# Altium PCB PCB.PcbDoc (part 1 of 2) (continued)
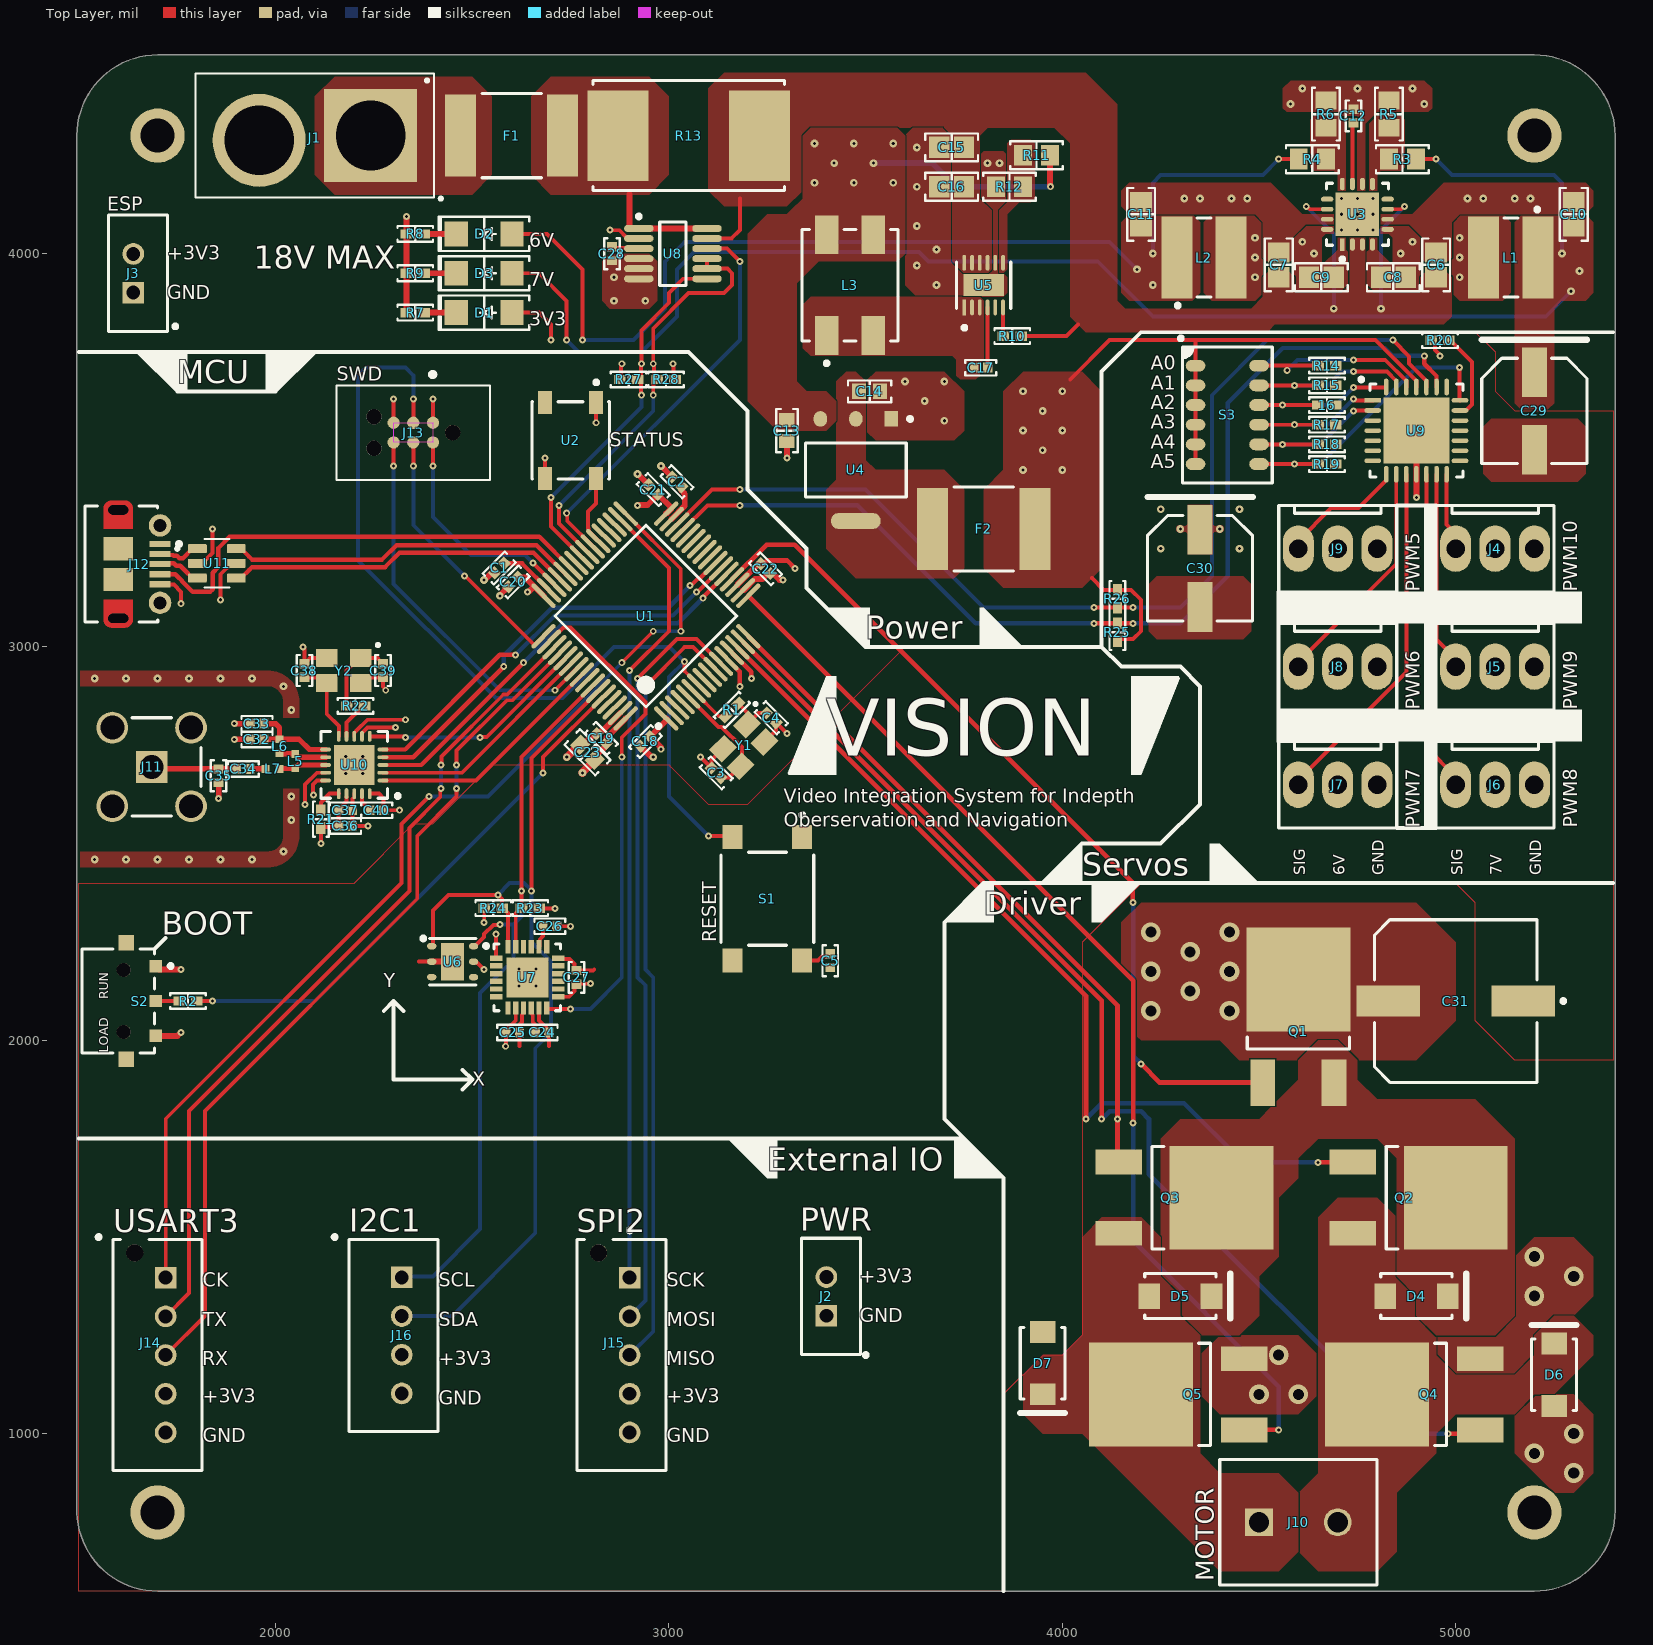
[diagram p0: Top Layer view]
## Part data (continued)
D1 D2 D3: library part 5990240007F, "LED YELLOW 1206 SMD", Current - Test=20mA, Device Package="1206 (3216 Metric)", Lens Color=0.80mm, manufacturer=Dialight, Millicandela Rating=126mcd, Supplier Device Package=1206, Supplier Part Number 1=350-4363-1-ND, Voltage - Forward (Vf) (Typ)=2.1V, Color=Yellow, componentlink1description=Datasheet, componentlink1url=http://www.dialightsignalsandcomponents.com/Assets/Brochures_And_Catalogs/Indication/CBI_SMD_new/Dialight_CBI_data_599-1206_Apr2018.pdf, componentlink2description="DigiKey Link", componentlink2url=https://www.digikey.com/en/products/detail/dialight/5990240007F/9385418, Configuration=Standard, Height (Max)=0.80mm, lastupdated="27/01/2024 9:27:52 PM", Lens Size="2.00mm x 1.60mm", Lens Style="Rectangle with Flat Top", Lifecycle Status=Active, Minimum Order=1, Mounting Type="Surface Mount", Package / Case="1206 (3216 Metric)", packaging=TapeAndReel, Part Number=5990240007F, Part Status=Active, partid=1, price=0.04, series=599, Size / Dimension="3.20mm L x 1.60mm W", Supplier 1=DigiKey, Viewing Angle=140°, Wavelength - Dominant=590nm
D4 D5 D6 D7: library part CMP-2000-07175-1, "Power Schottky Rectifier, 2 A, 100 V, 2-Pin SMD (SMA), RoHS, Tape and Reel", Capacitance @ Vr, F=-, Current - Average Rectified (Io)=2A, Current - Reverse Leakage @ Vr=1µA@100V, manufacturer=STMicroelectronics, Operating Temperature - Junction=175°C(Max), Package / Case=DO-214AC,SMA, Package Description="2-Pin Surface Mount Device, Body 4.275 x 2.575 mm", Package Reference=SMA, Standard Package=1, Supplier Device Package=SMA(DO-214AC), Voltage - DC Reverse (Vr) (Max)=100V, Voltage - Forward (Vf) (Max) @ If=790mV@2A, Category=DiscreteSemiconductorProducts, Datasheet URL=http://www.st.com/content/ccc/resource/technical/document/datasheet/0a/8b/df/ef/15/72/4f/38/CD00001548.pdf/files/CD00001548.pdf/jcr:content/translations/en.CD00001548.pdf, Datasheet Version=06/2013, Diode Type=Schottky, Family=Diodes,Rectifiers-Single, Manufacturer URL=http://www.st.com/, Mounting Technology=SurfaceMount, Mounting Type=SurfaceMount, Online Catalog=SchottkyDiode, Other Names=497-3758-6, Other Related Documents=STPS2H100ViewAllSpecifications, Package URL=http://www.st.com/st-web-ui/static/active/en/resource/technical/document/datasheet/CD00283518.pdf, packaging=Digi-Reel®, Reverse Recovery Time (trr)=-, series=-, Speed=FastRecovery=200mA(Io)
F1 F2: library part CMP-2000-05550-2, "PTC RESET FUSE 15V 3A 2920", Ambient Temperature Range High=+85°C, Ambient Temperature Range Low=-40°C, Current Rating=40A, Hold Current=3A, manufacturer=Littelfuse, Manufacturer Part Number=2920L300/15DR, Package=2920L, Resistance=0.015-0.048Ω, Temperature="-40°C to +85°C", Trip Current=5A, Voltage Rating=15V, Automotive=No, Category=Fuse, componentlink2description=Datasheet, componentlink2url=https://m.littelfuse.com/~/media/electronics/datasheets/resettable_ptcs/littelfuse_ptc_2920l_datasheet.pdf.pdf, Device Class L1="Circuit Protection", Device Class L2="PTC Resettable Fuses", Device Class L3=unset, Digikey Description="PTC RESET FUSE 15V 3A 2920", Height=1.25mm, Lead Free=Yes, Octopart=https://octopart.com/2920l300%2F15dr-littelfuse-673797, RoHS=TRUE, Temperature Range High=+85°C, Temperature Range Low=-40°C, Trip Time=20s
J1: library part XT60_YELLOW, "Power connector; 65A; PIN: 2; Colour: yellow", Package=None, Availability="Not in stock", Check_prices=https://www.snapeda.com/parts/XT60%20YELLOW/Pololu/view-part/?ref=eda, MF=Pololu, MP="XT60 YELLOW", price=None, SnapEDA_Link=https://www.snapeda.com/parts/XT60%20YELLOW/Pololu/view-part/?ref=snap
J2 J3: library part CMP-17439-000026-1, "CONN HEADER VERT 2POS 2.5MM", Color=Natural, Contact Resistance=20mR, Current Rating=3A, Housing Color=White, Max Operating Temperature=85°C, Max Voltage Rating (AC)=250V, Min Operating Temperature=-25°C, Connector Type=Plug, Contact Material="Copper Alloy", Contact Mating Length=0.13inch, Contact Plating=Tin, Contact Type="Male Pin", Depth=3.8mm, Fastening Type=Detent, Gender=Male, Housing Material=Nylon, Lead Free="Lead Free", Length=7.5mm, Max Current Rating=3A, Mount="Through Hole", Number of Contacts=2, Number of Positions=2, Number of Rows=1, Orientation=Straight, packaging=Bulk, Pitch=2.5mm, series=EH, Termination=Press-Fit, Voltage Rating=250V
J4 J5 J6 J7 J8 J9: "CONN HEADER VERT 3POS 2.54MM", Part Number=0022272031
J10: library part CMP-2000-05815-1, "PCB Terminal Block, 13.5 A, 400 V, 2-Pin THD, RoHS, Bulk", Current Rating=13500mA, manufacturer="Phoenix Contact", Package Description="2-Pin Through Hole Device, Body 8.1 x 10.16 mm, Pitch 5.08 mm", Package Reference=1729128-2, Package Version=03/2015, Voltage Rating=400V, Datasheet URL=https://datasheet.ciiva.com/16046/1729128-16046181.pdf, Datasheet Version=12/2013, Manufacturer URL=http://www.phoenixcontact.com/, Mounting Technology=ThroughHole, No. of Positions=2, No. of Rows=1, Orientation=Horizontal, Package URL=https://www.phoenixcontact.com/online/portal/pi/pxc/product_detail_page/!ut/p/b1/3VdJjqNKFDxLH8AFycySyWY2ozFsEPOMMQaDOX1XedGL_1Vdm5YXJleknhSKeBkvI6EA8ncAo3AYoDhBQGco6KN7VURTdemj9us_IEKEZo_YHiPAEWEFmDGOHMORkqKYCORBZxgL7ZoaZYcbFFUZ3fqxSY6GOuxydWUuHqz1ynmMFygu583Bob0Ewr6Sd_l-5m-kAueHiB0jpRwZwe58wwtkpxtMYd_LmGcDRU02dRNEyWt6Y2ti5pSyJ_reIkzIulrqApdnbT11V5jnCKbYNCvhEM1MCpPByat_X379-iThf08CI5GfOPqfBeS3BRoBOdD55AKVv0iLwCMq-2BrzXWSGRH7pUGD9uwXQjiph3xL0DKQwdGa0JImiIOmBNOestqgwTHSSs2oOep-78apyXQBvNi8ZLaFjvjWvcaUEBu0MC6Wbe-d6mB0FAebo2lUWinqYaZs5DAYzV0RP9yitUjnGJ0iI9xhZkT42OCQNUJJhkgWINNQLP2JFP6OpMg3JCVg70jqHT0lvKOnhHf0lPuOnnLf0VPuWx6_dxwUIvwk5WMkT0kLL1mh61l2yZVSzG3pYV_bqo-mj6uMKwKwdnnW8Jh5RTOJzMOA5c-eJDaZQw4mTMPH02PvS_ZAqNVjVTo2WyYLkwH_KU1mmmG5kjRhDqPXLwwVHvVOjCM60-fpXvTDfMGW1PVFVS1r4e4yVDk4ZdNbkUHvqPqQSeian4UD39fNKmachqdJ1NJbyk8rXT9mXTvPk3oE5meulKGgiruPJek-4I9hTT6G8ZLOyRSm2RRVbThERQad5OS28hdt4YW4vG0stgYYzsWsK4_7y6DZMjJSCqri1kyiZR5vD7pwIrNR7QwPHTcLTI5qT7eRlpHrdGiupYlqQDJ7zy_CND8fWWBoLRXxk1RVcXiBQwbTD4Xi7KL-FuO94t9xaqweXzH, Packing=Bulk, PartNumber=1729128, Pitch=5.08mm, RoHS=TRUE
J11: library part CMP-2000-05487-1, "SMA Right-Angle PCB Jack Receptacle, Brass Body, Gold Plated, 50 Ohm, 5-Pin THD, RoHS, Tray", manufacturer=Molex, Package Description="5-Pin Through Hole Device, Body 14.8 x 6.35 mm, Pitch 2.54 mm", Datasheet URL=http://www.molex.com/webdocs/datasheets/pdf/en-us/0731000114_RF_COAX_CONNECTORS.pdf, Datasheet Version=09/2016, Manufacturer URL=http://www.molex.com/, Mounting Technology=ThroughHole, Package Reference=731000114, Package URL=http://www.molex.com/pdm_docs/sd/731000114_sd.pdf
J12: library part CMP-2000-05827-1, "Micro-USB B Receptacle, Right Angle, Bottom Mount, Surface Mount, with Solder Tabs, -30 to 85 degC, 5-Pin USB, RoHS, Tape and Reel", manufacturer=Molex, Package Description="5-Leads USB, Micro B, Body 7.5 x 5 mm, Pitch 0.65 mm", Package Reference=MICRO-B, Package Version="Rev. F, 12/2012", Standard Package=1, Voltage - Max=30V, 3D Model=105017-0001.stp, Catalog Drawings=1050170001, Category=Connectors,Interconnects, Circuits=5, Connector Type=USB-microB, Datasheet URL=http://www.molex.com/elqNow/elqRedir.htm?ref=http://www.molex.com/webdocs/datasheets/pdf/en-us/1050170001_IO_CONNECTORS.pdf, Datasheet Version=03/2016, Family=USB,DVI,HDMIConnectors, Featured Product=Micro-USBConnectorsUSBConnectors, Features=Shielded,SolderRetention, Gender=Receptacle, Ingress Protection=-, Manufacturer URL=http://www.molex.com/, Mating Products=WM17145-ND-CABLEMICROUSBBTOSTDA1.0MWM17147-ND-CABLEMICROUSBBTOSTDA2.0MWM17146-ND-CABLEMICROUSBBTOSTDA1.5M, Mounting Technology=SurfaceMount, Mounting Type=BoardCutout,SurfaceMount,RightAngle, Number of Contacts=5, Online Catalog=Molex-MicroUSB, Other Names=WM1399DKR, Package URL=http://www.molex.com/pdm_docs/sd/1050170001_sd.pdf, packaging=Digi-Reel®, PCN Assembly/Origin=ResinSupplier21/Oct/2015, RoHS Information=1050170001CertofCompliance, series=-, Specifications=-
J13: "CABLE ADAPTER 6 POS", Package=None, Availability=Unavailable, MP=TC2030-IDC-NL, price=None
J14 J15: library part CMP-17439-000304-1, "CONN HEADER VERT 5POS 2.5MM", Color=Green, Contact Resistance=20mR, Flammability Rating="UL94 V-0", Housing Color=White, Insulation Color=Natural, Max Current Rating=3A, Max Operating Temperature=85°C, Max Voltage Rating (AC)=250V, Min Operating Temperature=-25°C, Connector Type=Header, Contact Finish - Mating=TIN, Contact Material=Brass, Contact Plating=Copper, Contact Shape=Square, Contact Type="Male Pin", Depth=5.75mm, Fastening Type=Detent, Housing Material=Polyamide, Insulation Material=Nylon, Lead Free="Lead Free", Length=14.9mm, Mated Stacking Heights=9.8mm, Mount="Through Hole", Number of Positions=5, Number of Rows=1, Orientation=Straight, packaging=Bulk, Pitch=2.5mm, series=XH, Termination=Solder, Voltage Rating=250V
J16: library part CMP-17439-000250-1, "CONN HEADER VERT 4POS 2.5MM", Color=Natural, Contact Resistance=20mR, Current Rating=3A, Flammability Rating="UL94 V-0", Housing Color=White, Insulation Resistance=1GR, Max Operating Temperature=85°C, Max Voltage Rating (AC)=250V, Min Operating Temperature=-25°C, Package Quantity=500, Connector Type=Header, Contact Finish - Mating=TIN, Contact Material=Brass, Contact Plating=Tin, Contact Shape=Square, Contact Type="Male Pin", Depth=5.75mm, Fastening Type=Detent, Gender=Male, Housing Material=Polyamide, Insulation Color=Natural, Insulation Material=Nylon, Lead Free="Lead Free", Lead Pitch=2.5mm, Length=12.4mm, Mated Stacking Heights=9.8mm, Material=Polyamide, Max Current Rating=3A, Max Voltage Rating (DC)=250V, Mount="Through Hole", Number of Contacts=4, Number of Positions=4, Number of Rows=1, Orientation=Straight, packaging=Bulk, Pitch=2.5mm, REACH SVHC="No SVHC", series=XH, Termination=Solder, Voltage Rating=250V, Voltage Rating (AC)=250V, Wire/Cable Gauge=22AWG
L1 L2: library part CMP-1401-00021-2, Ambient Temperature Range High=85°C, Ambient Temperature Range Low=-40°C, Case Code (Imperial)=1919, Case Code (Metric)=4848, Case/Package=4828, Current Rating=2.5A, DC Resistance (DCR)=38mΩ, Inductance=2.2µH, Inductance Tolerance=20%, Max DC Current=4A, Max Operating Temperature=125°C, Self Resonant Frequency=54MHz, Test Frequency=100kHz, Core Material=Ferrite, Height=2.8mm, Length=4.8mm, Min Operating Temperature=-40°C, Mount="Surface Mount", NexarPartId=23392467, Number of Pins=2, packaging=Digi-Reel®, REACH SVHC=Unknown, RMS Current (Irms)=2.5A, RoHS=Compliant, Saturation Current=4A, Shielding=Shielded, Termination=SMD/SMT, Tolerance=20%, Width=4.8mm
L3: library part CMP-08256-000005-1, "CMC 4A 2LN 700 OHM SMD AEC-Q200", Impedance At Frequency="700Ω @ 100MHz", manufacturer=TDK, Package=ACM70V, Rms Current=4A, Series Resistance=15mΩ, Temperature="-40°C to +125°C", Temperature Range High=+125°C, Temperature Range Low=-40°C, Automotive=Yes, Automotive Grade="Grade 1", Category=Filter, componentlink2description=Datasheet, componentlink2url=https://product.tdk.com/info/en/catalog/datasheets/cmf_automotive_power_acm70v_en.pdf, Composition=Wirewound, Device Class L1="Passive Components", Device Class L2="EMI / RFI Components", Device Class L3="Common Mode Chokes", Digikey Description="CMC 4A 2LN 700 OHM SMD AEC-Q200", Height=3.5mm, Lead Free=Yes, Manufacturer Part Number=ACM70V-701-2PL-TL00, Mouser Description="Ind Common Mode Filter Shielded Wirewound 700Ohm 100MHz Ferrite 4A 7 X 6 X 3.5 Blister T/R", Octopart=https://octopart.com/acm70v-701-2pl-tl00-tdk-9565115, RoHS=TRUE, Shielding=true
L5 L6 L7: library part CMP-03913-14415878-1, "744901039 Fixed Ind 3.9NH 340MA 500MOHM Sm", Case Code (Imperial)=0402, Case Code (Metric)=1005, Current Rating=340mA, DC Resistance (DCR)=370mΩ, Inductance=3.9nH, Max Operating Temperature=125°C, Min Operating Temperature=-40°C, Self Resonant Frequency=6GHz, Test Frequency=500MHz, Case/Package=0402, Composition="Thin Film", Core Material=Alumina, Height=320µm, Height - Seated (Max)=406.4µm, Length=1mm, Max DC Current=340mA, Mount="Surface Mount", NexarPartId=14415878, Number of Pins=2, packaging=Digi-Reel®, Q Factor=13, REACH SVHC=Unknown, RoHS=Compliant, Shielding=Unshielded, Termination=SMD/SMT, Weight=652.039032µg, Width=500µm
Q1 Q2 Q3 Q4 Q5: library part CMP-12198-000019-1, "MOSFET N-CH 200V 5A DPAK", Continuous Drain Current=5A, Drain To Source Breakdown Voltage=200V, Drain To Source Resistance=0.65Ω, Gate To Source Voltage=20V, Input Capacitace At Vds="242pF @ 25V", manufacturer=STMicroelectronics, Max Forward Diode Voltage=1.5V, Max Junction Temp=+150°C, Package=DPAK-P032P, Power Dissipation=33W, Pulse Drain Current=20A, Temperature="-55°C to +150°C", Temperature Range Low=-55°C, Automotive=No, Category=Trans, componentlink2description=Datasheet, componentlink2url=https://www.st.com/resource/en/datasheet/std5n20l.pdf, Depletion Mode=False, Device Class L1="Discrete Semiconductors", Device Class L2=Transistors, Device Class L3=MOSFETs, Digikey Description="MOSFET N-CH 200V 5A DPAK", Drain To Source Voltage=200V, Gate Charge At Vgs="5nC @ 5V", Height=2.63mm, Lead Free=Yes, Manufacturer Part Number=STD5N20LT4, Mouser Description="MOSFET Transistor, N Channel, 2.5 A, 200 V, 650 mohm, 5 V, 2.5 V RoHS Compliant: Yes", Number Of Channels=1, Number Of N Channels=1, Octopart=https://octopart.com/std5n20lt4-stmicroelectronics-335491, Reverse Recovery Charge=237nC, Reverse Recovery Time=93ns, RoHS=TRUE, Rthja Max=100°C/W, Standoff Height=0.03mm, Temperature Range High=+150°C, Threshold Vgs Max=2.5V, Threshold Vgs Min=1V, Transconductance=6.5S, Turn Off Delay Time=14ns, Turn On Delay Time=11.5ns
R1 R10 R22 R23 R24 R25 R26 R27 R28: library part 5112, "0402 JUMPER ON TAPE AND REEL", Part Number=5112
R2 R7 R8 R9: library part RP73PF1E10KBTD, "RES 10K OHM 0.1% 1/10W 0402", Part Number=RP73PF1E10KBTD
R3 R4 R5 R6 R11 R12: library part TLRZ2ATTD, "RES 0 OHM JUMPER 0805", Device Package="0805 (2012 Metric)", manufacturer="KOA Speer Electronics, Inc.", Operating Temperature="-55°C ~ 170°C", Ratings=AEC-Q200, Resistance="0 Ohms", Supplier Device Package=0805, Supplier Part Number 1=2019-TLRZ2ATTDCT-ND, Tolerance=Jumper, componentlink1description=Datasheet, componentlink1url=http://www.koaspeer.com/catimages/Products/TLRZ/TLRZ.pdf, componentlink2description="DigiKey Link", componentlink2url=https://www.digikey.com/en/products/detail/koa-speer-electronics-inc/TLRZ2ATTD/9845494, Composition="Metal Element", Features="Automotive AEC-Q200, Current Sense", Height - Seated (Max)="0.022\" (0.55mm)", lastupdated="8/02/2024 9:02:39 PM", Lifecycle Status=Active, Minimum Order=1, Number of Terminations=2, Package / Case="0805 (2012 Metric)", packaging=TapeAndReel, Part Number=TLRZ2ATTD, Part Status=Active, partid=27685, price=0.08, series=TLRZ, Size / Dimension="0.079\" L x 0.049\" W (2.00mm x 1.25mm)", Supplier 1=DigiKey
R13: library part CMP-00030-39853526-1, "WSR3R0200FEA Res Metal Strip 4527 0.02 Ohm 1% 3W ±75ppm/°C Molded SMD SMD Embossed Plastic T/R", Case Code (Imperial)=4527, Max Operating Temperature=275°C, Max Power Dissipation=3W, Min Operating Temperature=-65°C, Resistance=20mΩ, Temperature Coefficient=75ppm/°C, Tolerance=1%, Voltage Rating (DC)=240mV, Case/Package=4527, Composition="Metal Element", Contact Plating="Silver, Tin", Depth=6.98mm, Features="Automotive AEC-Q200, Moisture Resistant", Height=2.41mm, Lead Free="Lead Free", Length=11.56mm, Military Standard=Not, NexarPartId=39853526, Number of Terminations=2, packaging="Cut Tape", Power Rating=3W, Radiation Hardening=No, REACH SVHC="No SVHC", RoHS=Compliant, Schedule B="8533210045, 8533210045", Termination=SMD/SMT, Width=6.98mm
R21: library part RC0402FR-0722K1L, "RES 22.1K OHM 1% 1/16W 0402", Device Package="0402 (1005 Metric)", manufacturer=Yageo, Operating Temperature="-55°C ~ 155°C", Power (Watts)="0.063W, 1/16W", Resistance="22.1 kOhms", Supplier Device Package=0402, Supplier Part Number 1=311-22.1KLRCT-ND, Temperature Coefficient=±100ppm/°C, Tolerance=±1%, componentlink1description=Datasheet, componentlink1url=https://www.yageo.com/upload/media/product/productsearch/datasheet/rchip/PYu-RC_Group_51_RoHS_L_10.pdf, componentlink2description="DigiKey Link", componentlink2url=https://www.digikey.com/en/products/detail/yageo/RC0402FR-0722K1L/726563, Composition="Thick Film", Features="Moisture Resistant", Height - Seated (Max)="0.016\" (0.40mm)", lastupdated="23/01/2024 8:29:15 PM", Lifecycle Status=Active, Minimum Order=1, Number of Terminations=2, Package / Case="0402 (1005 Metric)", packaging=CutTape, Part Number=RC0402FR-0722K1L, Part Status=Active, partid=2641, price=0.01, series=RC_L, Size / Dimension="0.039\" L x 0.020\" W (1.00mm x 0.50mm)", Supplier 1=DigiKey
S1: library part CMP-2000-05160-2, "SWITCH TACTILE SPST-NO 0.05A 12V", Case/Package=SMD/SMT, Color=Black, Contact Resistance=100mR, Current Rating=50mA, Max Operating Temperature=60°C, Max Voltage Rating (DC)=12V, Min Operating Temperature=-20°C, Operating Force=160gf, Package Quantity=1, Actuator Length=0.85mm, Actuator Material=Nylon, Actuator Type=Standard, Contact Material=Silver, Contact Plating=Silver, Depth=9mm, Illumination Type=Non-Illuminated, Lead Free="Lead Free", Length=6mm, Max Current Rating=50mA, Mechanical Life=100000Cycles, Mount="Surface Mount", Orientation=Straight, packaging="Tape and Reel", REACH SVHC="No SVHC", Switch Function=Off-Mom, Termination="Gull Wing", Throw Configuration=SPST, Voltage Rating (DC)=12V
S2: library part CMP-10038-000025-1, "SWITCH SLIDE SPDT 1MA 5V", Actuator Color=Black, Case/Package=SMD/SMT, Contact Current Rating=1mA, Contact Resistance=70mR, Flammability Rating="UL94 V-2", Max Operating Temperature=85°C, Max Voltage Rating (DC)=5V, Min Operating Temperature=-20°C, Package Quantity=1, Actuator Length=1.5mm, Actuator Material=Nylon, Actuator Type=Standard, Contact Material="Copper Alloy", Contact Plating=Silver, Current Rating=1mA, Depth=4.82mm, Electrical Life=15000Cycles, Housing Material=Nylon, Length=7.8mm, Max Current Rating=1mA, Mount="Surface Mount", Orientation="Right Angle", packaging="Tape and Reel", Radiation Hardening=No, REACH SVHC="No SVHC", RoHS Compliant=Yes, series=JS, Switch Function=On-On, Switch Travel=1.5mm, Termination="Gull Wing", Throw Configuration=SPDT, Voltage Rating (DC)=5V
S3: "SWITCH SLIDE DIP SPST 25MA 24V", Part Number=218-6LPST
U1: library part CMP-0243-00019-3, "ARM Cortex-M4 32-bit MCU+FPU, 210 DMIPS, 1024 kB Flash, 192 kB Internal RAM, 51 I/Os, 64-pin LQFP, -40 to 85 degC, Tray", I/Os (High Current)=51, manufacturer=STMicroelectronics, Operating Frequency(F) (Processor speed) (MHz)=168, Supply Voltage(Vcc) max (V)=3.6, Supply Voltage(Vcc) min (V)=1.8, componentlink1description="Manufacturer URL", componentlink1url=http://www.st.com/web/en/home.html, componentlink2description=Datasheet, componentlink2url=http://www.st.com/st-web-ui/static/active/en/resource/technical/document/datasheet/DM00037051.pdf, ComponentLink3Description="Package Specification", ComponentLink3URL=http://www.st.com/st-web-ui/static/active/en/resource/technical/document/datasheet/DM00037051.pdf, Core="ARM Cortex-M4", D/A Converter=2x12-bit, DatasheetVersion="Rev. 4", FLASH Size (Prog) (kB)=1024, Internal RAM Size (kB)=192, Mounting Technology="Surface Mount", PackageDescription="64-Pin Low Profile Quad Flat Package, 10 x 10 mm Body, 0.5 mm Pitch", PackageReference=LQFP64, PackageVersion="Rev. 4, 06/2013", Packing=Tray, PartNumber=STM32F405RGT6
U2: library part CMP-2000-05026-1, "Intelligent Control LED Integrated Light Source, 3.5 to 5.3 V, -25 to 80 degC, 4-Pin SMD, RoHS, Tape and Reel", Color=Red,Green,Blue(RGB), manufacturer=Adafruit-Industries-LLC, Package Description="4-Pin Surface Mount Device, Body 5 x 5 mm", Category=Optoelectronics, Configuration=Discrete, Controller Type=-, Datasheet URL=http://datasheet.octopart.com/ADA1655-Adafruit-Industries-datasheet-32028139.pdf, Datasheet Version=May-13, Family=Addressable,Specialty, Interface=-, Manufacturer URL=https://www.adafruit.com/, Mounting Type=SurfaceMount, Number of LEDs=10, Package Reference=1655, series=Neopixel, Size / Dimension=5.00mmLx5.00mmW, Utilized LED=WS2812(5050)
U3: library part CMP-04918-000415-1, "IC REG BUCK ADJ 3A DL 16QFN", Case/Package=QFN, Current - Output 1=3A, Max Input Voltage=18V, Max Operating Temperature=85°C, Max Output Voltage=7V, Min Input Voltage=4.5V, Min Operating Temperature=-40°C, Min Output Voltage=760mV, Package Quantity=250, Quiescent Current=1.2mA, Switching Frequency=700kHz, Current - Output 2=3A, Lead Free="Lead Free", Min Supply Voltage=4.5V, Mount="Surface Mount", Number of Outputs=2, Number of Pins=16, Operating Supply Voltage=18V, Output Configuration=Positive, Output Current=3A, Output Type=Adjustable, Output Voltage=7V, packaging="Tape and Reel", Radiation Hardening=No, REACH SVHC="No SVHC", RoHS Compliant=Yes, Synchronous Rectifier=Yes, Voltage - Output 1=7V, Voltage - Output 2=7V
U4: library part CMP-209535-000001-1, "LDO Voltage Regulators 1A, 3.3V", Dropout Voltage=1.1V, manufacturer="Advanced Monolithic Systems", Max Junction Temp=+125°C, Max Power Dissipation=1.2W, Max Supply Voltage=15V, Nominal Supply Current=5mA, Output Current=1A, Output Voltage=3.3V, Package=AMS1117, Temperature="-40°C to +125°C", Temperature Range Low=-40°C, Automotive=No, Category=IC, componentlink2description=Datasheet, componentlink2url=http://www.advanced-monolithic.com/pdf/ds1117.pdf, Device Class L1="Integrated Circuits (ICs)", Device Class L2="Power Management ICs", Device Class L3="Voltage Regulators - Linear", Height=1.8mm, Ipc Land Pattern Name=SOT229P700X180-4, Lead Free=Yes, Manufacturer Part Number=AMS1117-3.3, Number of Outputs=1, Octopart=https://octopart.com/ams1117-3.3-advanced+monolithic+systems-25899300, Output Type=Fixed, RoHS=TRUE, Standoff Height=0.64mm, Temperature Range High=+125°C
U5: library part CMP-00370-132508643-1, "LMR51440SDRRR 36-V, 4-A synchronous buck converter 12-WSON -40 to 150", Manufacturer Lifecycle Status=ACTIVE, Max Junction Temperature (Tj)=150°C, Max Supply Voltage=36V, Min Operating Temperature=-40°C, Min Supply Voltage=4V, Nominal Supply Current=25µA, Output Current=4A, Height=800µm, Length=3mm, Lifecycle Status=Production, Max Duty Cycle=97%, Max Operating Temperature=150°C, NexarPartId=132508643, Number of Outputs=1, Number of Pins=12, Thickness=750µm, Width=3mm
U6: "SENSOR HUMID/TEMP 3V I2C 2% SMD", Part Number=HPP845E031R4
U7: library part CMP-1753-00002-2, "3-Axis Gyroscope, Accelerometer and a Digital Motion Processor(TM) (DMP), 2.375 to 3.46 V, -40 to 85 degC, 24-Pin QFN, RoHS, Tape and Reel", manufacturer=InvenSense, Standard Package=5,000, Category=Sensors,Transducers, Datasheet URL=http://datasheet.octopart.com/MPU-6050-InvenSense-datasheet-14421344.pdf, Datasheet Version="Rev. 3.3, 05/2012", Dynamic Catalog=MPU-6000™Series, Family=Multifunction, Featured Product=MPU-60506-Axis,IntegratedI²CSolution, Manufacturer URL=http://www.invensense.com/, Online Catalog=MPU-6000™Series, Other Names="1428-1007-2 / MPU6050", Output Type=Digital, Sensor Type=MotionTracking, Unit PriceUSD=Digital
U8: library part CMP-0482-00795-1, "Wide Range I2C Power Monitor, 12-pin SOP (MS-12), 0 to 70 degC, Pb-Free", manufacturer="Linear Technology", componentlink1description="Manufacturer URL", componentlink1url=http://www.linear.com/, componentlink2description=Datasheet, componentlink2url=http://cds.linear.com/docs/en/datasheet/2945f.pdf, ComponentLink3Description="Package Specification", ComponentLink3URL=http://cds.linear.com/docs/en/packaging/05081668_A_MS12.pdf, Mounting Technology="Surface Mount", Number of Supplies(#)=1, PackageDescription="12-Pin Plastic MSOP, Body 4.039 x 3 mm, Pitch 0.65 mm", PackageReference=MS-12, PackageVersion="Rev. A, 05/2013", PartNumber=LTC2945CMS#PBF, RoHS=TRUE
U9: library part CMP-1595-00001-4, "IC LED DRVR LIN DIM 25MA 28HVQFN", Case/Package=VQFN, Frequency=50MHz, Max Operating Temperature=85°C, Min Operating Temperature=-40°C, Output Voltage=5.5V, Package Quantity=4000, Contact Plating=Gold, Mount="Surface Mount", Number of Outputs=16, Number of Pins=28, packaging="Tape and Reel", Radiation Hardening=No, RoHS Compliant=Yes
U10: library part CMP-2000-06859-1, "Single Chip Transceiver, 2.4 GHz, 60 mW, 1.9 to 3.6 V, -40 to 85 degC, 20-Pin QFN, RoHS, Tray", Current - Receiving=12.6mA~13.5mA, Current - Transmitting=7mA~11.3mA, Frequency=2.4GHz, manufacturer="Nordic Semiconductor", Operating Temperature=-40°C~85°C, Package / Case=20-VFQFNExposedPad, Package Description="20-Pin Quad Flat No-lead Package, Body 4 x 4 mm, Pitch 0.5 mm", Package Reference=QFN20, Power - Output=0dBm, Standard Package=490, Voltage - Supply=1.9V~3.6V, Category=RF/IFandRFID, Data Rate (Max)=2Mbps, Datasheet URL=http://www.nordicsemi.com/eng/content/download/2726/34069/file/nRF24L01P_Product_Specification_1_0.pdf, Datasheet Version="Rev. 1.0, 09/2008", Design Resources=DevelopmentToolSelector, Family=RFTransceiverICs, For Use With=1490-1002-ND-KITEVALUATIONNRF24L01P1568-1295-ND-SPARKFUNTRANSCEIVERBREAKOUT-1568-1296-ND-SPARKFUNTRANSCEIVERBREAKOUT-1471-1410-ND-DEVBOARDNRFSCLICKNRF24L01P-MODULE-PCB-ND-KITEVALNRF24L01+PCBANTENNANRF24L01P-MODULE-SMA-ND-KITEVALNRF24L01+SMACONNNRF24L01P-UPGRADE-ND-UPGRADE2PCB/1SMANRF24L01103990038-ND-DEVDUINOSENSORNODEV1.3103990053-ND-DEVDUINOSENSORNODEV2(ATMEGA103990074-ND-DEVDUINOSENSORNODE106990026-ND-ENERGYMONITORSHIELDV2113990088-ND-WIRELESSGATESHIELD113990095-ND-DEVDUINOSENSORNODEV3(ATMEGA106030001-ND-ENERGYMONITORSHIELD1597-1361-ND-DEVDUINOSENSORNODEV2.2(ATMEG105990030-ND-RGBWSTRIPWIRELESSSHIELDV1.0, GPIO=-, Manufacturer URL=http://www.nordicsemi.com/eng/Products/, Memory Size=-, Modulation=GFSK, Mounting Technology=SurfaceMount, Online Catalog=nRF24L01+, Other Names=1490-1019, packaging=Tray, Protocol=-, RF Family/Standard=GeneralISM>1GHZ, Sensitivity=-94dBm, Serial Interfaces=SPI, series=-, Type=TxRxOnly
U11: "17V Clamp 5A (8/20Âµs) Ipp Tvs Diode Surface Mount SOT-23-6", Package="SOT-23-6 STMicroelectronics", Availability="In Stock", Check_prices=https://www.snapeda.com/parts/USBLC6-2SC6/STMicroelectronics/view-part/?ref=eda, MF=STMicroelectronics, MP=USBLC6-2SC6, price=None, Purchase-URL=https://pricing.snapeda.com/search/part/USBLC6-2SC6/?ref=eda, SnapEDA_Link=https://www.snapeda.com/parts/USBLC6-2SC6/STMicroelectronics/view-part/?ref=snap
Y1 Y2: library part CMP-03913-116855757-1, "830108207109 WE-XTAL Quartz Crystal", Frequency=16MHz, Max Operating Temperature=85°C, Min Operating Temperature=-40°C, Height=800µm, Length=3.2mm, NexarPartId=116855757, Width=2.5mm

## Free pads (board coordinates)
  round 137.8 hole 86.61: 2(1700,800) 2(1700,4300) 2(5200,800) 2(5200,4300)

## Via types
v1: diameter 17.72, hole 7.87, Top Layer to Bottom Layer, tented both sides, 125 vias
v2: diameter 19.68, hole 7.87, Top Layer to Bottom Layer, tented both sides, 109 vias
v3: diameter 50, hole 28, Top Layer to Bottom Layer, tented both sides, 17 vias

## Nets (pads, with @x,y where several pads share a name; then routed paths per layer and width w, separated by ;. In a path a pad name is that pad's centre, name@x,y a point inside that pad or via, vN(x,y) a via of type N, cw(c..) or ccw(c..) an arc to the next point about the centre after c; other vN are vias at no path point)
+3V3: C18.2 C19.2 C20.2 C21.2 C22.2 C23.2 C25.2 C27.2 C36.2 C37.2 D1.1 F2.1 J2.2 J3.2 J13.1 J14.4 J15.4 J16.3 R23.1 R24.2 R25.1 R26.2 R27.1 R28.2 S2.3 S3.1 S3.2 S3.3 S3.4 S3.5 S3.6 U1.1 U1.13 U1.19 U1.32 U1.48 U1.64 U2.1 U6.5 U7.8 U7.13 U9.25 U10.7 U10.15 U10.18 U11.5 | length 3531.3
  Top Layer w10: v1(1860,3120) 1860,3184.8 1887.8,3212.6 U11.5@1900,3212.6 ; v1(2095.83,2624.17) 2095,2625 2095,2650 2105.55,2660.55 2127.09,2660.55 U10.15@2127.17,2660.63 ; U10.18@2200,2627.17 2200,2618.46 2195,2613.46 C37.2@2195,2585 C36.2@2195,2545 v1(2235,2545) ; U10.7@2219.68,2772.83 2219.68,2781.54 2225.45,2787.3 2225.45,2787.46 2233.6,2795.61 2304.39,2795.61 v1(2305,2795) ; J13.1@2400,3580 v1(2400,3630) ; U6.5@2503.15,2200 2508.64,2200 2511.77,2196.87 2513.13,2196.87 v1(2530,2180) ; v1(2530,2300) 2530.36,2300.36 2530.36,2335.64 R24.2@2530.72,2336 ; v1(2585,1985) 2585.18,1985.18 2585.18,2019.82 C25.2@2585.35,2020 2592.17,2026.81 2592.17,2032.2 2610.47,2050.51 U7.8@2610.47,2082.24 ; D1.1@2600.87,3850 2670,3850 2700,3820 v1(2700,3780) ; R23.1@2670.28,2336 2670.78,2335.5 2709.5,2335.5 v1(2710,2335) ; U7.13@2718.74,2110.79 2745.79,2110.79 2760,2125 C27.2@2760,2142.68 ; C27.2@2765,2142.68 2766.16,2143.84 2798.84,2143.84 v1(2800,2145) ; U2.1@2814.96,3621.46 2815,3621.42 v1(2815,3570) ; R27.1@2874.72,3680 2878.52,3683.8 2878.52,3718.52 v1(2880,3720) ; v1(3010,3720) 3011.48,3718.52 3011.48,3683.8 R28.2@3015.28,3680 ; 4020,3680 4120,3780 4340,3780 ; 4075,3175 4104.72,3145.28 R26.2@4140,3145.28 4174.72,3145.28 4200,3120 4200,3040 4180,3020 4145.28,3020 R25.1@4140,3014.72 ; S3.6@4338.58,3465 S3.5@4338.58,3515 S3.4@4338.58,3565 S3.3@4338.58,3615 S3.2@4338.58,3665 S3.1@4338.58,3715 4338.58,3778.58 4340,3780 ; U9.25@4900,3660.85 4900,3676.37 4796.37,3780 4340,3780
  Top Layer w12: U1.13@3159.96,2985.42 3208.91,2936.47 3208.91,2921.09 v1(3210,2920) ; C22.2@3233.23,3211.14 3241.45,3211.14 3250.31,3220 3300,3220 v1(3320,3200)
  Top Layer w15: S2.3@1695.67,2011.42 1750.68,2011.42 1759.26,2020 v1(1760,2020) ; C20.2@2616.15,3177.67 2616.71,3177.12 2634.19,3177.12 U1.48@2658.33,3152.98 ; v1(2640,3140) 2640.52,3140.52 2643.61,3140.52 2656.07,3152.98 U1.48@2658.33,3152.98 ; U1.48@2681.13,3130.18 U1.48@2658.33,3152.98 ; C23.2@2811.72,2713.41 2811.72,2720.39 C19.2@2840.53,2749.21 ; C19.2@2847.19,2755.86 C19.2@2840.53,2749.21 ; U1.64@2889.92,2818.39 2841.09,2769.56 2841.09,2755.86 C19.2@2840.53,2755.3 C19.2@2840.53,2749.21 ; v1(2920,3360) 2921.09,3361.09 2945.59,3361.09 C21.2@2972.25,3387.75 3006.91,3353.09 3006.91,3352.96 U1.32@2992.92,3338.97 ; v1(2980,2740) 2979.48,2740.52 2979.48,2745.02 C18.2@2952.25,2772.25 2994.53,2814.53 2994.53,2816.78 U1.1@2992.92,2818.39 ; U1.19@3173.88,3158.02 3226.44,3210.58 3232.67,3210.58 C22.2@3233.23,3211.14
  Top Layer w20: v2(2780,2680) 2780,2681.69 C23.2@2811.72,2713.41
  other v2: 3900,3450 4000,3450 3950,3500 3900,3550 4000,3550 3950,3600 3900,3650 4000,3650
+6V: C11.2 C30.1 D2.1 J7.2 J8.2 J9.2 L2.1 R4.2 | length 2585.2
  Top Layer w10: D2.1@2600.87,4050 2690,4050 2780,3960 v1(2780,3780) ; v1(4550,4240) R4.2@4601.1,4240
  Bottom Layer w10: v1(2780,3780) 2910,3780 2990,3860 2990,3980 3040,4030 4120,4030 v2(4190,3960) ; v2(4230,4000) 4230,4180 4250,4200 4510,4200 v1(4550,4240)
  other v2: 4250,3250 4450,3250 4300,3300 4400,3300 4250,3350 4450,3350 4230,3920
+7V: C10.2 C29.1 D3.1 J4.2 J5.2 J6.2 L1.1 R3.2 | length 3680
  Top Layer w10: D3.1@2600.87,3950 2670,3950 2740,3880 v1(2740,3780) ; R3.2@4898.9,4240 v1(4950,4240)
  Bottom Layer w10: v1(2740,3780) 2770,3750 2930,3750 3020,3840 3020,3960 3064.14,4004.14 3635.86,4004.14 3660,3980 4090,3980 4230,3840 5228.88,3840 v2(5293.24,3904.36) ; v1(4950,4240) 4990,4200 5250,4200 5270,4180 v2(5270,4000)
  other v2: 5314.41,3955.59